# Altium PCB bqCNC.PcbDoc (part 4 of 6) (continued)
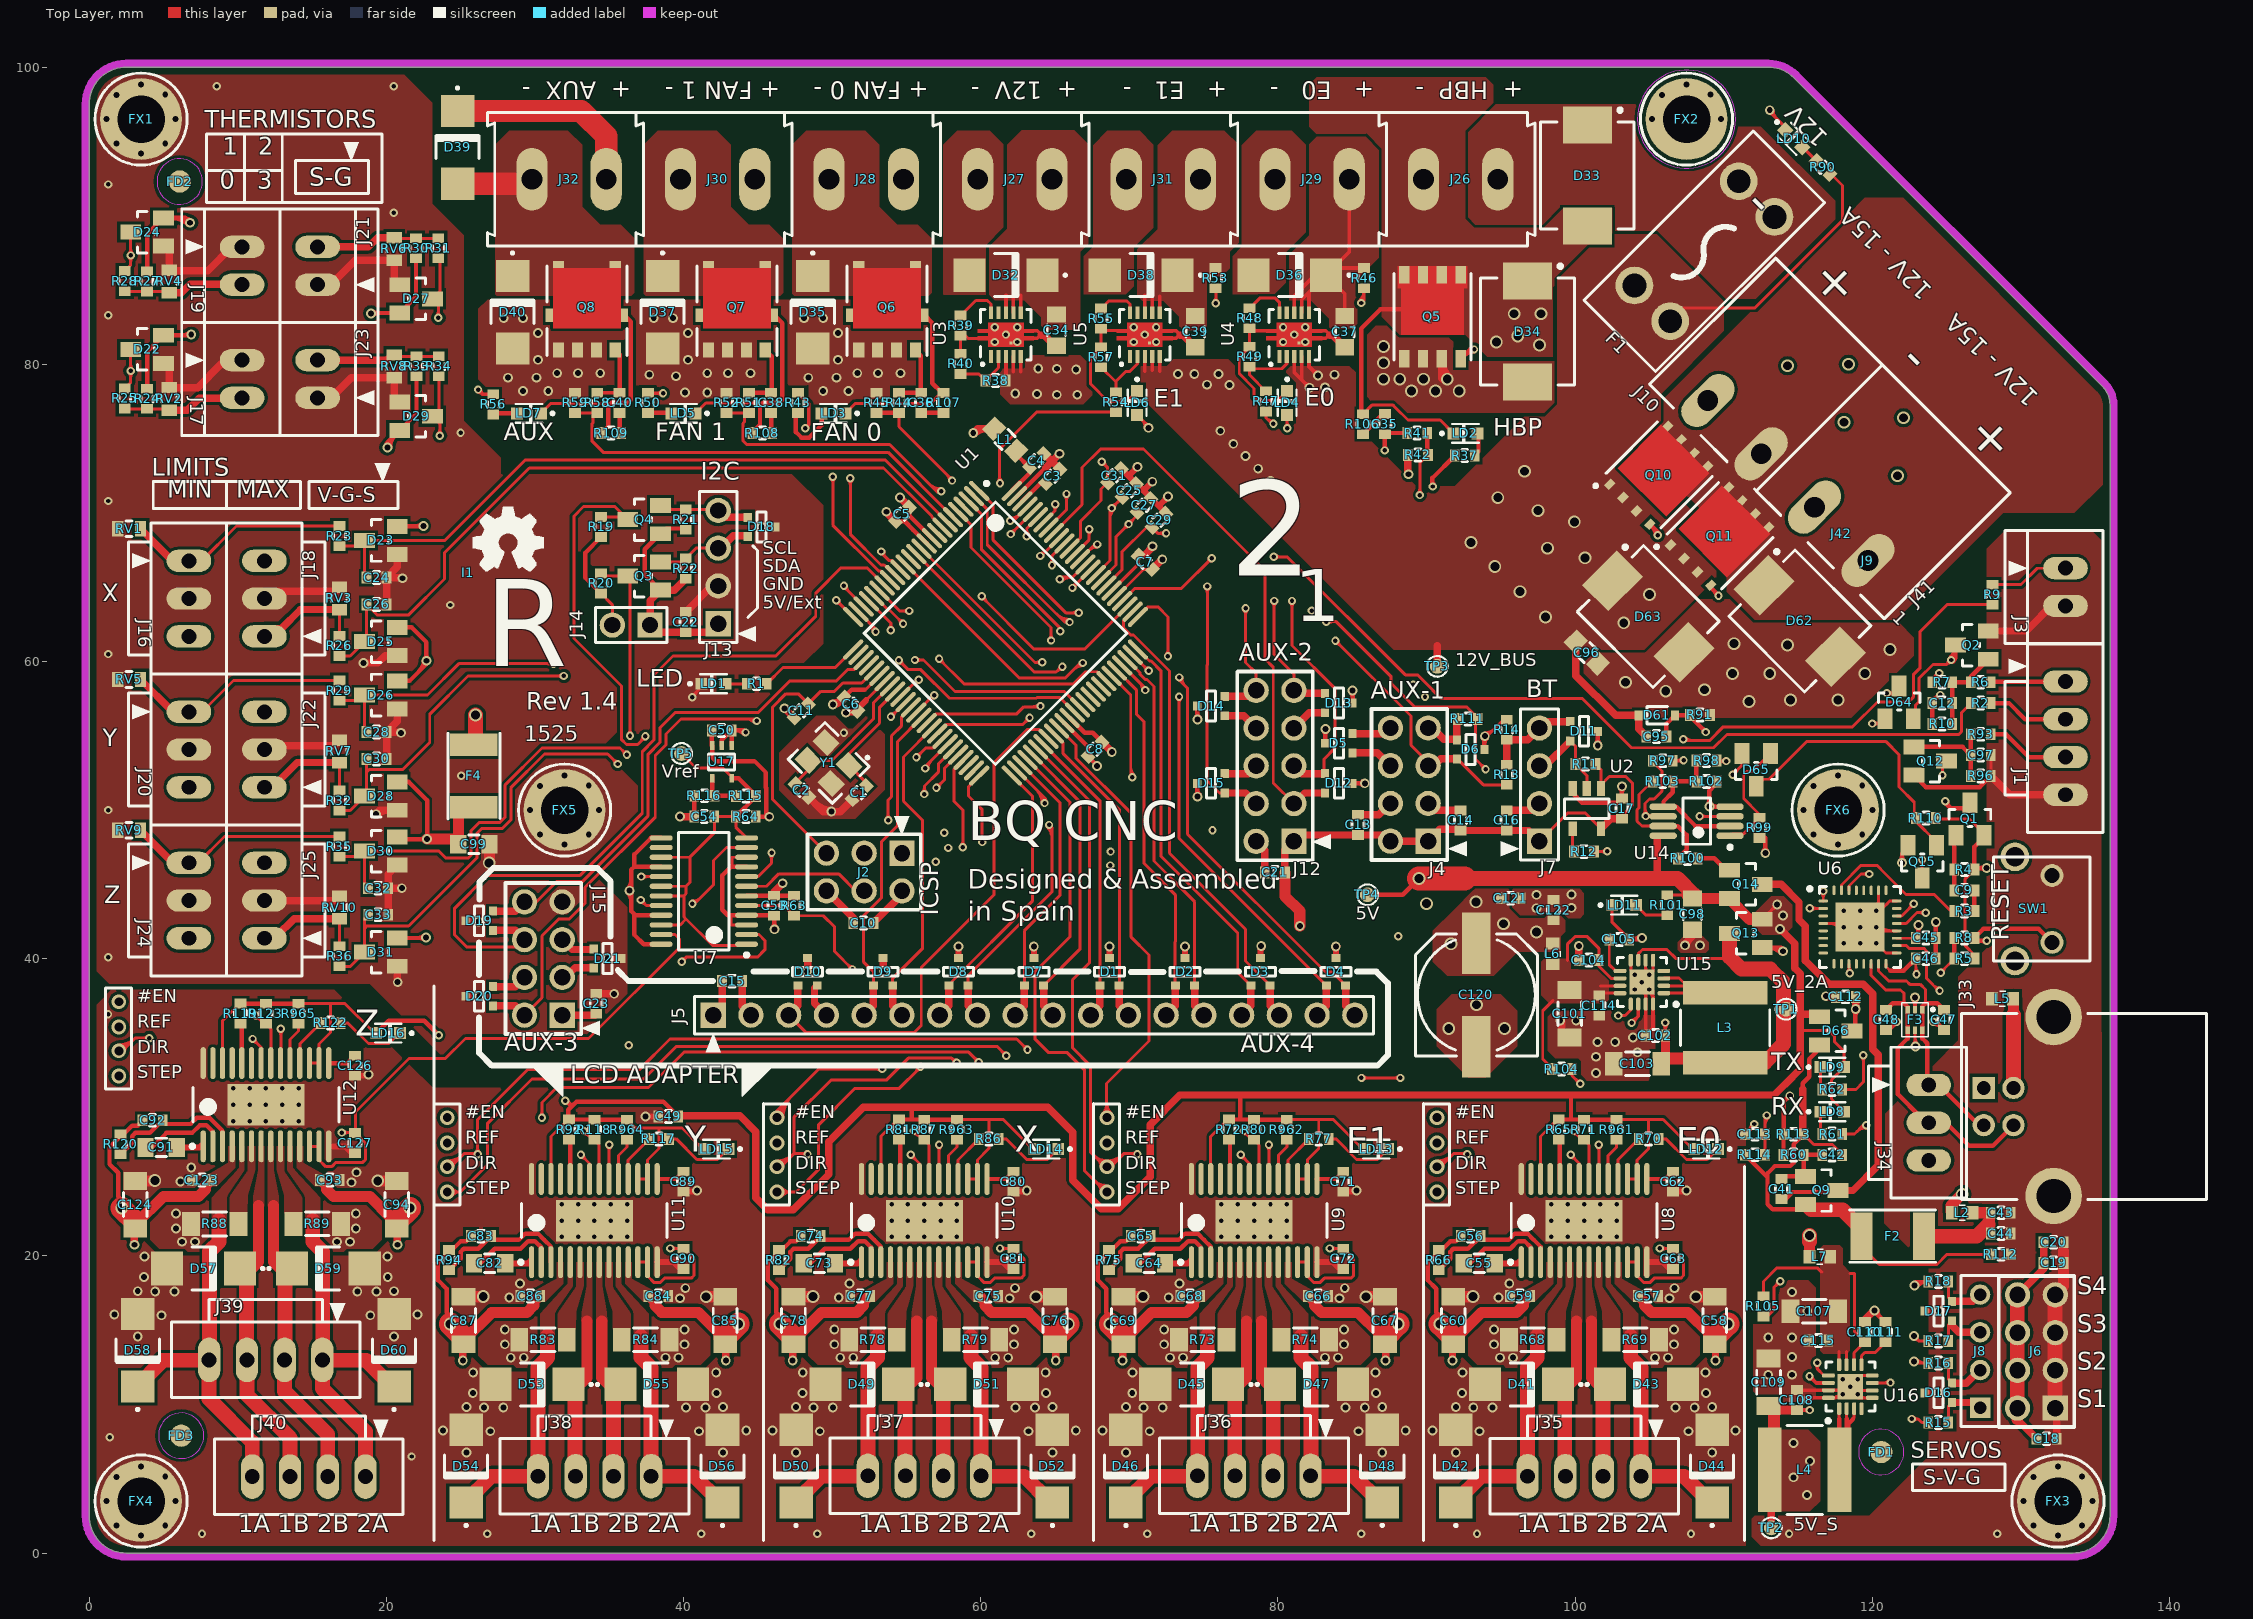
[diagram p0: Top Layer view]
## Nets (pads, with @x,y where several pads share a name; then routed paths per layer and width w, separated by ;. In a path a pad name is that pad's centre, name@x,y a point inside that pad or via, vN(x,y) a via of type N, cw(c..) or ccw(c..) an arc to the next point about the centre after c; other vN are vias at no path point) (continued)
  Top Layer w1: 15.05,22.375 15.05,20.95 15.725,20.275 15.725,12.975 18.625,12.975 D60.K@20.3,11.3 ; J39.1@15.7,13 15.7,11.075 18.6,8.175 J40.1@18.6,5.15
NetD62_K: D62.K J10.1 J10.3 J42.1 Q10.5 Q10.6 Q10.7 Q10.8 Q11.5 Q11.6 Q11.7 Q11.8
NetD64_2: D64.2 Q2.3 R8.1 SW1.2 | length 37.9
  Top Layer w0.2: D64.2@122.909,56.094 122.909,57.054 123.159,57.304 123.159,58.883 124.081,59.805 125.005,59.805 ; v2@125.12,60.095 cw(c124.727,60.083) 125.005,59.805 ; v2@125.295,59.92 ccw(c125.283,59.527) 125.005,59.805 ; v2@125.325,60.125 125.005,59.805
  Top Layer w0.3: v2@125.211,60.194 ccw(c124.352,61.1) Q2.3@125.6,61.1 125.6,60.4 v2(125.3,60.1) ; v2@125.3,60.23 ccw(c125.3,60.544) 125.522,60.322 ccw(c125.744,60.1) v2@125.43,60.1 ; v2@125.417,59.977 ccw(c125.013,60.402) 125.6,60.402 ; v2@127.608,41.108 ccw(c127.386,40.886) 127.386,41.2 ccw(c127.386,41.514) v2@127.608,41.292 ; v2(127.7,41.2) 127.075,41.2 R8.1@126.875,41.4 127.475,42 131.2,42 SW1.2@132.1,41.1
  Signal Layer 1 w0.3: v2@125.3,59.91 cw(c125.3,59.451) 125.624,59.776 cw(c125.949,60.1) v2@125.49,60.1 ; v2(125.3,60.1) 126.55,58.85 126.55,42.35 v2(127.7,41.2) ; v2@127.51,41.2 ccw(c127.051,41.2) 127.376,41.524 ccw(c127.7,41.849) v2@127.7,41.39
NetD64_3: D64.3 Q15.3 | length 17.8
  Top Layer w0.2: v2(120.975,57.875) 121.54,57.875 D64.3@121.959,58.294 ; v2@121.102,57.748 cw(c121.41,57.44) 121.41,57.875 cw(c121.41,58.31) v2@121.102,58.002 ; v2@123.223,46.548 cw(c122.915,46.24) 123.35,46.24 cw(c123.785,46.24) v2@123.477,46.548 ; v2(123.35,46.675) 123.35,45.5 Q15.3@123.4,45.45
  Signal Layer 1 w0.2: v2@120.975,57.635 cw(c120.975,57.056) 121.385,57.465 cw(c121.794,57.875) v2@121.215,57.875 ; v2(120.975,57.875) 122.375,56.475 122.375,51.175 123.35,50.2 v2(123.35,46.675) ; v2@123.18,46.845 ccw(c122.771,47.254) 123.35,47.254 ccw(c123.929,47.254) v2@123.52,46.845
NetD65_3: D65.3 Q15.1 R110.1 | length 17.5
  Top Layer w0.2: D65.3@112.19,51.606 112.659,52.075 113.05,52.075 115.6,54.625 120.9,54.625 121.8,53.725 121.8,51.55 122.825,50.525 R110.1@122.825,49.5 ; R110.1@123.056,49.209 123.056,49.119 Q15.1@124.125,48.05
NetF3_5: F3.5 J33.1 L2.1 | length 16.9
  Top Layer w0.2: v1@122.737,34.263 ccw(c122.405,34.595) 122.875,34.595 ; 122.875,34.716 ccw(c123.516,34.716) v1@123.063,34.263 ; F3.5@122.875,35.175 122.875,34.125 v1(122.9,34.1)
  Top Layer w0.75: L2.1@125.3,23 125.3,23.4 v3(126.05,24.15)
  Power Layer w0.5: v1(122.9,34.1) 124.775,34.1 J33.1@127.475,31.4
  Power Layer w0.75: v3(126.05,24.15) 126.05,29.85 J33.1@127.5,31.3
NetJ1_2: J1.2 R2.2 | length 5.5
  Top Layer w0.3: R2.2@127.975,57.2 129.2,57.2 130.3,56.1 132.99,56.1 J1.2@133,56.11
NetJ3_1: J3.1 R9.2 | length 5.5
  Top Layer w0.2: R9.2@128.1,65.175 130,65.175 131.1,66.275 132.8,66.275 J3.1@133.075,66.55
NetJ16_1: J16.1 R23.1 RV1.2 | length 14.3
  Top Layer w0.2: J16.1@7.484,66.684 9.918,69.118 R23.1@16.843,69.118
  Top Layer w0.5: RV1.2@3.457,68.935 5.336,67.056 J16.1@6.604,67.056
NetJ17_2: J17.2 R24.1 R25.1 RV2.2 | length 8.4
  Top Layer w0.2: R25.1@2.4,77.025 2.426,76.999 R24.1@3.9,76.999 5.315,76.999 RV2.2@5.4,76.914
  Top Layer w0.5: RV2.2@5.4,76.914 6.614,76.914 7.424,77.724 10.062,77.724 J17.2@10.3,77.486
NetJ18_1: J18.1 R26.1 RV3.2 | length 7.4
  Top Layer w0.2: R26.1@16.843,61.718 RV3.2@16.843,63.483
  Top Layer w0.5: J18.1@11.8,62.2 12.924,62.2 14.224,63.5 16.826,63.5 RV3.2@16.843,63.483
NetJ19_2: J19.2 R27.1 R28.1 RV4.2 | length 8.2
  Top Layer w0.2: R28.1@2.4,84.925 2.426,84.899 R27.1@3.9,84.899 5.315,84.899 RV4.2@5.4,84.814
  Top Layer w0.5: RV4.2@5.4,84.814 6.214,84.814 6.8,85.4 10.26,85.4 J19.2@10.3,85.36
NetJ20_1: J20.1 R29.1 RV5.2 | length 15
  Top Layer w0.2: J20.1@6.858,56.866 7.866,56.866 9.718,58.718 R29.1@16.843,58.718
  Top Layer w0.5: RV5.2@3.457,58.789 5.604,56.642 J20.1@6.858,56.642
NetJ21_2: J21.2 R30.1 R31.1 RV6.2 | length 8.1
  Top Layer w0.2: RV6.2@20.534,88.52 20.579,88.475 R30.1@22,88.475 R31.1@23.5,88.475
  Top Layer w0.5: J21.2@15.634,87.9 18.8,87.9 19.42,88.52 RV6.2@20.534,88.52
NetJ22_1: J22.1 R32.1 RV7.2 | length 7.5
  Top Layer w0.2: R32.1@16.843,51.318 RV7.2@16.843,53.183
  Top Layer w0.5: J22.1@11.8,51.786 12.586,51.786 14,53.2 16.826,53.2 RV7.2@16.843,53.183
NetJ23_2: J23.2 R33.1 R34.1 RV8.2 | length 8.2
  Top Layer w0.2: RV8.2@20.534,80.62 20.619,80.535 R33.1@22.034,80.535 R34.1@23.534,80.535
  Top Layer w0.5: J23.2@15.634,80.026 15.872,80.264 20.018,80.264 20.454,80.7 RV8.2@20.534,80.62
NetJ24_1: J24.1 R35.1 RV9.2 | length 14.9
  Top Layer w0.2: J24.1@6.604,46.452 J24.1@6.72,46.452 7.352,46.452 9.118,48.218 R35.1@16.843,48.218
  Top Layer w0.5: RV9.2@3.457,48.643 5.364,46.736 J24.1@6.604,46.736
NetJ25_1: J25.1 R36.1 RV10.2 | length 7.5
  Top Layer w0.2: RV10.2@16.843,42.683 16.843,40.846 R36.1@16.857,40.832
  Top Layer w0.5: J25.1@11.8,41.372 11.928,41.5 12.6,41.5 13.8,42.7 16.826,42.7 RV10.2@16.843,42.683
NetJ33_4: J33.4 J34.3 L5.2 | length 17.7
  Top Layer w0.75: L5.2@129.475,37.375 129.5,37.35 129.5,36.2
  Top Layer w1: J33.4@129.5,31.3 129.5,36.2
  Signal Layer 1 w1: J34.3@123.8,26.42 129.171,26.42 130.95,28.199 130.95,29.8 J33.4@129.425,31.325
NetL3_1: L3.1 U15.1 U15.2 U15.3 | length 12.3
  Top Layer w0.2: U15.1@105.975,37.675 110.075,37.675 L3.1@110.1,37.7 L3.1@109.625,38.175 ; U15.2@105.975,38.175 L3.1@109.625,38.175 ; U15.3@105.975,38.675 106,38.7 107,38.7 107.525,38.175 L3.1@109.625,38.175
NetL4_1: L4.1 U16.1 U16.2 U16.3 | length 12.3
  Top Layer w0.2: 117.775,9.025 U16.1@117.775,9.725 ; 118.275,9.025 U16.2@118.275,9.725 ; 118.7,9 118.775,9.075 U16.3@118.775,9.725
  Top Layer w0.3: 117.775,9.025 117.775,5.625 L4.1@117.8,5.6 L4.1@118.275,6.075 ; 118.275,9.025 L4.1@118.275,6.075 ; 118.7,9 118.4,8.7 118.4,6.2 L4.1@118.275,6.075
NetLD1_A: LD1.A R1.2 | length 1.4
  Top Layer w0.2: LD1.A@43,58.5 R1.2@44.425,58.5
NetLD2_A: LD2.A R37.1 | length 1.7
  Top Layer w0.3: R37.1@93.25,73.85 93.5,74.1 LD2.A@93.5,75.4
NetLD3_A: LD3.A R43.1 | length 4.4
  Top Layer w0.3: R43.1@47.7,76.725 47.57,76.595 47.57,75.439 47.939,75.07 48.461,75.07 49.3,75.909 LD3.A@49.3,76.7
NetLD4_A: LD4.A R46.1 | length 16.9
  Top Layer w0.2: v2@80.498,75.827 ccw(c80.19,76.135) 80.625,76.135 ccw(c81.06,76.135) v2@80.752,75.827 ; v2(80.625,75.7) LD4.A@80.625,76.6 ; v2@85.473,84.252 ccw(c84.683,85.042) R46.1@85.8,85.042 ; v2(85.6,84.125) v2@85.8,84.325 ; v2@85.614,84.111 ccw(c85.165,84.56) 85.8,84.56 ; v2@85.661,84.294 ccw(c85.707,84.418) v2@85.8,84.325 ; v2@85.769,84.186 cw(c85.893,84.232) v2@85.8,84.325 ; R46.1@85.8,85.125 v2@85.8,84.325
  Signal Layer 1 w0.2: v2@80.455,75.87 ccw(c80.046,76.279) 80.625,76.279 ccw(c81.204,76.279) v2@80.795,75.87 ; v2(80.625,75.7) 80.625,78.55 83.875,81.8 83.875,82.525 85.6,84.25 v2(85.6,84.125) ; 84.977,83.627 cw(c85.6,83.004) v2@85.6,83.885 ; 85.279,83.929 ccw(c85.082,84.125) v2@85.36,84.125
NetLD5_A: LD5.A R50.1 | length 1.6
  Top Layer w0.3: R50.1@37.6,76.725 39.175,76.725 LD5.A@39.2,76.7
NetLD6_A: LD6.A R53.1 | length 16
  Top Layer w0.2: LD6.A@70.525,76.6 71.3,75.825 v1(71.3,75.725) ; LD6.A@70.837,76.288 cw(c70.273,75.725) v1@71.07,75.725 ; 71.078,76.047 ccw(c71.3,76.269) v1@71.3,75.955 ; v2@75.698,84.227 ccw(c75.39,84.535) 75.825,84.535 ccw(c76.26,84.535) v2@75.952,84.227 ; R53.1@75.8,85.125 75.825,85.1 v2(75.825,84.1)
  Signal Layer 1 w0.2: v1@71.109,75.916 ccw(c70.648,76.377) 71.3,76.377 ccw(c71.952,76.377) v1@71.491,75.916 ; v1(71.3,75.725) 71.3,79.6 75.8,84.1 v2(75.825,84.1) ; 75.373,83.673 cw(c75.825,83.22) v2@75.825,83.86 ; 75.433,83.733 ccw(c75.066,84.1) v2@75.585,84.1
NetLD7_A: LD7.A R56.1 | length 1.6
  Top Layer w0.3: R56.1@27.2,76.625 27.275,76.7 LD7.A@28.8,76.7
NetLD8_K: LD8.K R61.2 | length 1.6
  Top Layer w0.2: LD8.K@116.5,29.7 116.5,28.325 R61.2@116.625,28.2
NetLD9_K: LD9.K R62.2 | length 1.6
  Top Layer w0.2: LD9.K@116.5,32.7 116.5,31.325 R62.2@116.625,31.2
NetLD10_A: LD10.A R90.1 | length 1.3
  Top Layer w0.2: LD10.A@115.276,94.606 115.319,94.606 R90.1@116.2,93.725
NetLD11_A: LD11.A R101.1 | length 2.4
  Top Layer w0.2: LD11.A@104.1,43.6 104.775,42.925 R101.1@106.2,42.925
NetLD12_K: LD12.K R70.2 | length 5
  Top Layer w0.2: R70.2@105.625,27.875 106.109,27.875 107.498,26.486 108.886,26.486 LD12.K@109.7,27.3
NetLD13_K: LD13.K R77.2 | length 5
  Top Layer w0.2: R77.2@83.425,27.875 83.909,27.875 85.298,26.486 86.686,26.486 LD13.K@87.5,27.3
NetLD14_K: LD14.K R86.2 | length 5
  Top Layer w0.2: R86.2@61.225,27.875 61.709,27.875 63.098,26.486 64.486,26.486 LD14.K@65.3,27.3
NetLD15_K: LD15.K R117.2 | length 5
  Top Layer w0.2: R117.2@39.025,27.875 39.509,27.875 40.898,26.486 42.286,26.486 LD15.K@43.1,27.3
NetLD16_K: LD16.K R122.2 | length 5
  Top Layer w0.2: R122.2@16.925,35.675 17.409,35.675 18.798,34.286 20.186,34.286 LD16.K@21,35.1
NetQ1_3: Q1.3 R7.1 | length 14.1
  Top Layer w0.3: R7.1@124.025,58.6 124.025,58.75 v2(124.5,59.225) ; v2@124.37,59.225 cw(c124.056,59.225) 124.278,59.003 cw(c124.5,58.781) v2@124.5,59.095 ; v2(124.9,50.6) 124.9,50.5 125.275,50.125 126.075,50.125 Q1.3@126.2,50 ; v2@125.03,50.6 ccw(c125.585,50.6) 125.193,50.207
  Signal Layer 1 w0.3: v2@124.31,59.225 cw(c123.851,59.225) 124.176,58.901 cw(c124.5,58.576) v2@124.5,59.035 ; v2(124.5,59.225) 123.885,58.61 123.885,57.449 123.9,57.434 123.9,51.6 v2(124.9,50.6) ; v2@124.71,50.6 ccw(c124.251,50.6) 124.576,50.924 ccw(c124.9,51.249) v2@124.9,50.79
NetQ13_1: Q13.1 R99.1 | length 14.8
  Top Layer w0.3: Q13.1@112.6,40.75 v1@113.75,40.75 ; v1@112.673,47.227 ccw(c112.365,47.535) 112.8,47.535 ccw(c113.235,47.535) v1@112.927,47.227 ; v1(112.8,47.1) 112.8,48.125 ; Q13.1@112.962,40.75 cw(c112.962,39.462) v1@113.873,40.373 ; 113.686,40.75 cw(c113.686,40.186) v1@114.085,40.585 ; v1@113.822,40.528 ccw(c113.568,40.568) v1@113.75,40.75 ; v1@113.972,40.678 cw(c113.932,40.932) v1@113.75,40.75 ; v1(114,40.5) v1@113.75,40.75
  Power Layer w0.2: v1@112.609,46.909 cw(c112.39,46.69) 112.7,46.69 cw(c113.21,46.69) v1@112.849,47.051 ; 112.7,46.207 cw(c113.693,46.207) v1@112.991,46.909 ; v1@112.7,47 112.7,41.8 v1(114,40.5) ; v1@113.73,40.5 ccw(c113.078,40.5) 113.539,40.961 ccw(c114,41.422) v1@114,40.77
  Power Layer w0.3: v1@112.7,47 v1(112.8,47.1)
NetQ14_1: Q14.1 R100.1 | length 2.2
  Top Layer w0.3: R100.1@108.25,46.75 109.375,46.75 Q14.1@110.1,46.025
NetR12_1: R12.1 U2.4 | length 1.6
  Top Layer w0.2: U2.4@99.84,48.746 99.84,47.285 R12.1@99.925,47.2
NetR38_2: R38.2 R40.2 U3.2 | length 3.8
  Top Layer w0.2: R40.2@58.65,79.35 59.875,79.35 R38.2@60.325,78.9 61.2,79.775 U3.2@61.2,80.525
NetR39_2: R39.2 U3.10 | length 3.1
  Top Layer w0.2: R39.2@58.652,83.283 59.669,84.3 60.45,84.3 60.7,84.05 U3.10@60.7,83.475
NetR47_2: R47.2 R49.2 U4.2 | length 5.3
  Top Layer w0.2: R47.2@79.2,78.175 78.1,79.275 R49.2@78.1,79.825 78.225,79.7 80.264,79.7 80.6,80.036 U4.2@80.6,80.525
NetR48_2: R48.2 U4.10 | length 3.1
  Top Layer w0.2: R48.2@78.1,83.775 78.775,84.45 79.825,84.45 80.1,84.175 U4.10@80.1,83.475
NetR54_2: R54.2 R57.2 U5.2 | length 4.6
  Top Layer w0.2: R57.2@68.1,79.8 69.1,78.8 ; R54.2@69.1,78.125 69.1,78.8 ; U5.2@70.55,80.525 70.55,80.036 70.014,79.5 69.75,79.5 69.1,78.85 69.1,78.8
NetR55_2: R55.2 U5.10 | length 2.8
  Top Layer w0.2: R55.2@68.1,83.75 68.6,84.25 69.85,84.25 70.05,84.05 U5.10@70.05,83.475
NetR61_1: R61.1 U6.22 | length 29.8
  Top Layer w0.2: R61.1@117.975,28.2 118.8,28.2 v2@119.4,28.8 ; 118.951,28.351 cw(c119.6,27.703) v2@119.6,28.62 ; v2@119.293,28.693 cw(c119.6,28.386) v2@119.6,28.82 ; v2@119.4,28.8 v2(119.6,28.8) ; U6.22@121.65,42.875 121.975,42.875 v2(122.8,43.7) ; v2@122.62,43.7 cw(c122.185,43.7) 122.493,43.393 cw(c122.8,43.085) v2@122.8,43.52
  Signal Layer 1 w0.2: v2@119.4,28.8 v2(119.6,28.8) ; v2@119.4,28.8 119.4,31.1 121.2,32.9 124.4,32.9 125.7,34.2 125.7,42.625 124.225,44.1 123.2,44.1 ; 119.4,29.379 ccw(c120.179,29.379) v2@119.628,28.828 ; 119.4,29.862 ccw(c120.661,29.862) v2@119.769,28.97 ; v2(122.8,43.7) 123.2,44.1 ; v2@122.804,43.94 ccw(c122.813,44.486) 123.2,44.1 ; v2@123.04,43.704 cw(c123.586,43.713) 123.2,44.1
NetR62_1: R62.1 U6.21 | length 24.2
  Top Layer w0.2: R62.1@117.975,31.2 118.9,31.2 119.4,31.7 v2(119.4,33.5) ; v2@119.273,33.373 cw(c118.965,33.065) 119.4,33.065 cw(c119.835,33.065) v2@119.527,33.373 ; U6.21@121.65,42.375 122.284,42.375 123.009,43.1 v2(123.6,43.1) ; v2@123.472,42.973 ccw(c123.165,42.665) 123.165,43.1 ccw(c123.165,43.534) v2@123.472,43.227
  Signal Layer 1 w0.2: v2@119.4,33.43 124.23,33.43 125.275,34.475 125.275,42.423 124.553,43.145 123.645,43.145 v2(123.6,43.1) ; v2@119.57,33.33 cw(c119.81,33.09) 119.81,33.43 ; v2@119.57,33.67 ccw(c120.148,34.248) 120.148,33.43
NetR65_2: R65.2 U8.24 | length 2.8
  Top Layer w0.3: R65.2@98.9,27.9 98.979,27.821 U8.24@98.979,25.175
NetR68_2: R68.2 U8.6
NetR69_2: R69.2 U8.9
NetR70_1: R70.1 U8.18 | length 3.3
  Top Layer w0.2: U8.18@102.879,25.175 102.879,26.454 R70.1@104.275,27.85
NetR72_2: R72.2 U9.24 | length 2.8
  Top Layer w0.3: R72.2@76.7,27.9 76.779,27.821 U9.24@76.779,25.175
NetR73_2: R73.2 U9.6
NetR74_2: R74.2 U9.9
NetR77_1: R77.1 U9.18 | length 3.3
  Top Layer w0.2: U9.18@80.679,25.175 80.679,26.454 R77.1@82.075,27.85
NetR78_2: R78.2 U10.6
NetR79_2: R79.2 U10.9
NetR81_2: R81.2 U10.24 | length 2.8
  Top Layer w0.3: R81.2@54.5,27.9 54.579,27.821 U10.24@54.579,25.175
NetR83_2: R83.2 U11.6
NetR84_2: R84.2 U11.9
NetR86_1: R86.1 U10.18 | length 3.3
  Top Layer w0.2: U10.18@58.479,25.175 58.479,26.454 R86.1@59.875,27.85
NetR88_2: R88.2 U12.6
NetR89_2: R89.2 U12.9
NetR92_2: R92.2 U11.24 | length 2.8
  Top Layer w0.3: R92.2@32.3,27.9 32.379,27.821 U11.24@32.379,25.175
NetR97_1: R97.1 U14.3 U14.6 | length 15.3
  Top Layer w0.2: v2@104.623,49.727 ccw(c104.436,49.914) v2@104.7,49.914 ; 104.7,50.155 ccw(c105.305,50.155) 104.877,49.727 ccw(c105.185,50.035) 105.185,49.6 ccw(c105.185,49.165) v2@104.877,49.473 ; v2@104.725,49.725 104.7,49.75 104.7,50.442 105.008,50.75 105.325,50.75 105.85,51.275 105.85,52.625 105.3,53.175 R97.1@105.3,53.375 ; v2(104.75,49.6) 105.9,49.6 U14.6@105.95,49.55 ; v2(108.375,49.575) U14.3@110.425,49.575 ; v2@108.502,49.448 cw(c108.81,49.14) 108.81,49.575 cw(c108.81,50.01) v2@108.502,49.702
  Signal Layer 1 w0.2: v2@104.75,49.575 v2(108.375,49.575) ; v2@104.92,49.43 cw(c105.269,49.081) 105.269,49.575 ; v2@104.92,49.77 ccw(c105.39,50.24) 105.39,49.575 ; v2@108.205,49.405 ccw(c107.796,48.996) 107.796,49.575 ccw(c107.796,50.154) v2@108.205,49.745
NetR98_1: R98.1 R102.2 R103.1 U14.2 U14.5 | length 10.1
  Top Layer w0.3: U14.5@105.875,50.225 U14.5@105.925,50.225 106.8,50.225 108.1,48.925 U14.2@110.425,48.925 ; U14.5@105.95,50.35 105.95,50.575 106.575,51.2 R103.1@106.575,51.925 ; R103.1@106.575,51.975 106.6,51.95 108.075,51.95 108.15,51.875 108.15,53.05 108.2,53.1 R98.1@108.2,53.375
NetR100_2: R100.2 R103.2 U14.7 | length 8.6
  Top Layer w0.2: R103.2@105.175,51.925 104.3,51.05 104.3,50.15 104.17,50.02 104.17,49.255 104.5,48.925 U14.7@105.925,48.925
  Top Layer w0.3: U14.7@105.925,48.925 106.9,48.925 107.5,48.325 107.5,47.35 R100.2@106.9,46.75
NetR115_1: R115.1 R116.2 U17.4 | length 2.8
  Top Layer w0.3: U17.4@41.935,52.269 41.935,51.165 R116.2@42.1,51 ; R116.2@42.125,51.025 42.191,50.959 R115.1@43.531,50.959
NetR117_1: R117.1 U11.18 | length 3.3
  Top Layer w0.2: U11.18@36.279,25.175 36.279,26.454 R117.1@37.675,27.85
NetR119_2: R119.2 U12.24 | length 2.8
  Top Layer w0.3: R119.2@10.2,35.7 10.279,35.621 U12.24@10.279,32.975
NetR122_1: R122.1 U12.18 | length 3.3
  Top Layer w0.2: U12.18@14.179,32.975 14.179,34.254 R122.1@15.575,35.65
NetR961_2: R961.2 U8.19 | length 2.9
  Top Layer w0.2: U8.19@102.229,25.175 102.229,26.754 102.8,27.325 R961.2@102.8,27.821 R961.2@102.8,27.825
NetR962_2: R962.2 U9.19 | length 2.9
  Top Layer w0.2: U9.19@80.029,25.175 80.029,26.754 80.6,27.325 R962.2@80.6,27.821
NetR963_2: R963.2 U10.19 | length 2.9
  Top Layer w0.2: U10.19@57.829,25.175 57.829,26.754 58.4,27.325 R963.2@58.4,27.821
NetR964_2: R964.2 U11.19 | length 2.9
  Top Layer w0.2: U11.19@35.629,25.175 35.629,26.754 36.2,27.325 R964.2@36.2,27.821
NetR965_2: R965.2 U12.19 | length 2.9
  Top Layer w0.2: U12.19@13.529,32.975 13.529,34.554 14.1,35.125 R965.2@14.1,35.621
PS_ON: R9.1 U1.47 | length 101.5
  Top Layer w0.2: v2@58.673,47.627 ccw(c58.365,47.935) 58.8,47.935 ccw(c59.235,47.935) v2@58.927,47.627 ; v2(58.8,47.5) 58.8,50 58.217,50.583 58.217,52.753 U1.47@58.843,53.379 ; v2(107.275,54.775) 107.425,54.775 107.35,54.7 107.375,54.675 108.555,54.675 108.56,54.67 109.04,54.67 109.97,55.6 118.675,55.6 120.35,57.275 122.425,57.275 122.75,57.6 ; v2@107.402,54.902 ccw(c107.951,55.451) 107.951,54.675 ; 122.759,57.609 122.759,59.109 123.225,59.575 123.225,62.025 125.025,63.825 R9.1@128.1,63.825
  Power Layer w0.2: v2@58.687,47.387 ccw(c59.114,47.814) 59.114,47.21 ; v2(58.8,47.5) 59.09,47.21 v2(68.74,47.21) ; v2@58.828,47.528 ccw(c59.597,48.297) 59.597,47.21 ; v2@58.97,47.67 ccw(c60.08,48.78) 60.08,47.21 ; v2@68.57,47.04 ccw(c68.161,46.631) 68.161,47.21 ccw(c68.161,47.789) v2@68.57,47.38 ; v2(75.6,48.65) 76.9,48.65 77.425,49.175 83.075,49.175 84.65,50.75 84.65,55.325 86.2,56.875 89.175,56.875 89.9,57.6 v2(89.9,57.625) ; v2@75.77,48.48 cw(c76.179,48.071) 76.179,48.65 cw(c76.179,49.229) v2@75.77,48.82 ; 89.473,57.173 ccw(c89.02,57.625) v2@89.66,57.625 ; 89.533,57.233 cw(c89.9,56.866) v2@89.9,57.385
  Signal Layer 1 w0.2: v2(68.74,47.21) 74.11,47.21 75.55,48.65 v2(75.6,48.65) ; v2@68.91,47.04 cw(c69.319,46.631) 69.319,47.21 cw(c69.319,47.789) v2@68.91,47.38 ; 75.105,48.205 cw(c75.6,47.71) v2@75.6,48.41 ; 75.226,48.326 ccw(c74.901,48.65) v2@75.36,48.65 ; v2(89.9,57.625) 100.425,57.625 103.45,54.6 v2@107.05,54.6 ; v2@90.07,57.455 cw(c90.479,57.046) 90.479,57.625 cw(c90.479,58.204) v2@90.07,57.795 ; 106.273,54.6 ccw(c106.273,55.777) v2@107.105,54.945 ; 106.756,54.6 ccw(c106.756,55.294) v2@107.247,54.803 ; v2@107.05,54.625 v2@107.375,54.95 ; v2(107.275,54.775) v2@107.425,54.775
PWRDN: J1.3 R93.2 | length 5.7
  Top Layer w0.3: R93.2@127.975,55.1 129,55.1 130.53,53.57 J1.3@133,53.57
SCK: D21.1 J2.3 J15.5 U1.20 U7.8 | length 63
  Top Layer w0.2: U7.8@44.25,45.525 45.025,45.525 45.925,46.425 v2(45.925,47.125) ; v2@45.798,46.998 cw(c45.49,46.69) 45.925,46.69 cw(c46.36,46.69) v2@46.052,46.998 ; U1.20@53.186,64.764 54.55,63.4 v2(55.2,63.4) ; v2@55.073,63.273 ccw(c54.765,62.965) 54.765,63.4 ccw(c54.765,63.835) v2@55.073,63.527
  Top Layer w0.5: J15.5@31.84,41.28 32.5,40.62 33.923,40.62 D21.1@33.963,40.66
  Power Layer w0.2: J2.3@52.16,47.1 53.535,48.475 v2(57.55,48.475) ; v2@57.38,48.305 ccw(c56.971,47.896) 56.971,48.475 ccw(c56.971,49.054) v2@57.38,48.645
  Signal Layer 1 w0.2: J15.5@31.84,41.28 32.755,41.28 34.85,43.375 34.85,45.506 36.469,47.125 v2(45.925,47.125) 47.1,45.95 51.01,45.95 J2.3@52.16,47.1 ; v2@45.755,46.955 ccw(c45.346,46.546) 45.346,47.125 ccw(c45.346,47.704) v2@45.755,47.295 ; v2@45.925,46.885 cw(c45.925,46.306) 46.335,46.715 cw(c46.744,47.125) v2@46.165,47.125 ; v2@55.2,63.16 cw(c55.2,62.701) 55.524,63.026 ; v2(55.2,63.4) 55.2,63.35 56.3,62.25 57.852,62.25 59.5,60.602 59.5,57.219 58.824,56.542 58.824,49.749 v2(57.55,48.475) ; v2@55.44,63.4 ccw(c56.14,63.4) 55.645,62.905 ; v2@57.55,48.715 ccw(c57.55,49.294) 57.96,48.885 ccw(c58.369,48.475) v2@57.79,48.475
SCL: Q4.3 R19.2 U1.43 | length 49.1
  Top Layer w0.2: R19.2@34.45,69.725 Q4.3@36.075,69.725 ; Q4.3@36.25,69.55 Q4.3@36.075,69.725 ; 37.115,54.615 ccw(c36.763,54.967) v2@37.261,54.967 ; 37.178,54.678 cw(c37.441,54.415) v2@37.441,54.787 ; v2@37.5,55 36.92,54.42 36.16,54.42 35.82,54.76 35.82,55.32 35.825,55.325 35.825,58.35 32.625,61.55 32.625,69.775 33.275,70.425 35.375,70.425 Q4.3@36.075,69.725 ; v2(55.675,53.55) 56.292,54.167 56.802,54.167 U1.43@57.429,54.794 ; v2@55.675,53.73 ccw(c55.675,54.165) 55.982,53.857 ccw(c56.29,53.55) v2@55.855,53.55
  Signal Layer 1 w0.2: v2@37.309,54.766 cw(c37.127,54.489) 37.459,54.489 ; v2(37.441,54.967) 37.459,54.949 37.459,54.489 ; v2@37.595,54.783 ccw(c37.843,54.489) 37.459,54.489 ; v2@55.435,53.55 cw(c54.856,53.55) 55.265,53.14 cw(c55.675,52.731) v2@55.675,53.31 ; v2(55.675,53.55) 55.04,52.915 39.033,52.915 37.459,54.489
SDA: Q3.3 R20.2 U1.44 | length 41.8
  Top Layer w0.2: R20.2@34.45,65.925 34.625,65.75 Q3.3@36.25,65.75 36.4,65.6 v2(36.4,55) ; v2@36.273,55.127 ccw(c35.965,55.435) 36.4,55.435 ccw(c36.835,55.435) v2@36.527,55.127 ; v2(56.275,52.8) 56.275,52.932 U1.44@57.783,54.44 ; v2@56.455,52.8 cw(c57.209,52.8) 56.676,53.333
  Signal Layer 1 w0.2: v2@36.24,55 ccw(c36.887,55) 36.429,54.543 ; v2@36.275,54.795 cw(c36.139,54.572) 36.4,54.572 ; v2(36.4,55) 36.4,54.572 ; v2@36.44,55 ccw(c37.569,55) 36.771,54.201 ; v2@36.525,54.795 ccw(c36.661,54.572) 36.4,54.572 ; v2@36.64,55 ccw(c38.252,55) 37.112,53.86 ; v2@56.035,52.8 cw(c55.456,52.8) 55.865,52.39 cw(c56.275,51.981) v2@56.275,52.56 ; v2(56.275,52.8) 55.7,52.225 38.747,52.225 36.4,54.572
SERVO_1: R15.1 U1.24 | length 127.4
  Top Layer w0.2: U1.24@51.772,63.35 52.927,62.195 v2(52.927,61.998) ; 52.48,62.642 cw(c51.837,61.998) v2@52.747,61.998 ; v2@52.822,62.3 cw(c52.52,61.998) v2@52.947,61.998 ; v2@85.625,32.075 85.725,31.975 v2(88.25,31.975) ; v2@85.752,31.848 cw(c86.06,31.54) 86.06,31.975 cw(c86.06,32.41) v2@85.752,32.102 ; v2@88.123,31.848 ccw(c87.815,31.54) 87.815,31.975 ccw(c87.815,32.41) v2@88.123,32.102 ; v2(122.65,9.025) 123.091,9.025 123.332,8.784 R15.1@123.773,8.784 ; v2@122.777,8.898 cw(c123.085,8.59) 123.085,9.025 cw(c123.085,9.46) v2@122.777,9.152
  Power Layer w0.2: v2(57.825,47.45) 57.825,47.175 58.725,46.275 v2(68.725,46.275) ; v2@57.865,47.45 ccw(c58.625,47.45) 58.088,46.912 ; v2@58.065,47.45 ccw(c59.308,47.45) 58.429,46.571 ; v2@68.555,46.105 ccw(c68.146,45.696) 68.146,46.275 ccw(c68.146,46.854) v2@68.555,46.445
  Signal Layer 1 w0.2: v2(52.927,61.998) 52.927,62.032 55.022,64.128 55.378,64.128 56.705,62.8 57.903,62.8 59.9,60.803 59.9,57.053 59.224,56.376 59.224,49.074 57.825,47.675 v2(57.825,47.45) ; v2@52.927,62.238 ccw(c52.927,62.738) 53.279,62.385 ; v2@53.167,61.998 cw(c53.826,61.998) 53.36,62.465 ; v2@57.865,47.45 cw(c58.505,47.45) 58.052,47.902 ; v2@58.065,47.45 cw(c59.188,47.45) 58.394,48.244 ; v2@68.725,46.035 cw(c68.725,45.456) 69.135,45.865 cw(c69.544,46.275) v2@68.965,46.275 ; v2(68.725,46.275) 71.225,43.775 71.225,33.6 72.85,31.975 v2(85.625,31.975) ; v2@85.455,31.805 ccw(c85.046,31.396) 85.046,31.975 ccw(c85.046,32.554) v2@85.455,32.145 ; v2@88.25,31.735 cw(c88.25,31.156) 88.66,31.565 cw(c89.069,31.975) v2@88.49,31.975 ; v2(88.25,31.975) 89.025,31.2 93.8,31.2 95.3,29.7 107.55,29.7 114,23.25 114,19.75 122.61,11.14 122.61,8.985 v2(122.65,9.025)
SERVO_2: R16.1 U1.15 | length 111.2
  Top Layer w0.2: U1.15@54.954,66.532 62.586,58.9 65.7,58.9 66.7,59.9 v2(66.875,59.9) ; 66.269,59.469 cw(c66.875,58.863) v2@66.875,59.72 ; v1(122.8,12.9) 122.916,12.784 R16.1@123.773,12.784 ; v1@122.821,12.921 ccw(c123.152,13.252) 123.152,12.784 ; v1@122.963,13.063 ccw(c123.635,13.735) R16.1@123.635,12.784
  Signal Layer 1 w0.2: v2(66.875,59.9) 66.9,59.925 69.8,59.925 70.865,60.99 81.985,60.99 84.355,58.62 84.355,57.145 84.75,56.75 84.75,43.425 85.7,42.475 85.7,38.1 86.225,37.575 88,35.8 88,33.3 88.5,32.8 89.6,31.7 94,31.7 95.6,30.1 107.9,30.1 114.5,23.5 114.5,20.2 121.8,12.9 v1(122.8,12.9) ; v2@67.045,59.73 cw(c67.515,59.26) 67.515,59.925 ; v2@67.045,60.07 ccw(c67.394,60.419) 67.394,59.925 ; v1@122.609,12.709 ccw(c122.148,12.248) 122.148,12.9 ccw(c122.148,13.552) v1@122.609,13.091
SERVO_3: R17.1 U1.5 | length 106
  Top Layer w0.2: U1.5@58.49,70.067 59.352,69.204 59.352,67.671 64.736,62.288 v2(64.736,61.411) ; v2@64.609,61.538 ccw(c64.301,61.845) 64.736,61.845 ccw(c65.17,61.845) v2@64.863,61.538 ; v1(122.8,14.6) 123.116,14.284 ; v1@122.838,14.373 cw(c122.89,14.058) 123.116,14.284 ; v1@123.027,14.562 ccw(c123.342,14.51) 123.116,14.284 ; R17.1@123.773,14.284 123.116,14.284
  Signal Layer 1 w0.2: v2(64.736,61.411) 64.754,61.393 82.629,61.393 85.695,58.328 85.695,54.22 85.18,53.705 85.18,43.77 86.2,42.75 86.2,38.4 88.6,36 88.6,33.65 90.05,32.2 94.175,32.2 95.875,30.5 108.25,30.5 122.8,15.95 v1(122.8,14.6) ; v2@64.906,61.241 cw(c65.272,60.874) 65.272,61.393 ; v2@64.906,61.581 ccw(c65.358,62.033) 65.358,61.393
SERVO_4: R18.1 U1.1 | length 113.6
  Top Layer w0.2: U1.1@59.904,71.481 59.904,71.475 60.842,70.537 60.842,68.162 65.726,63.278 v2(66.603,63.278) ; v2@66.475,63.15 ccw(c66.168,62.843) 66.168,63.278 ccw(c66.168,63.712) v2@66.475,63.405 ; v1@122.689,18.092 cw(c123.041,17.866) v1@123.041,18.284 ; v1(122.832,18) 123.116,18.284 ; v1@122.857,17.984 cw(c123.407,17.631) 123.407,18.284 ; v1@122.89,18.223 ccw(c122.949,18.451) 123.116,18.284 ; v1@123.026,17.876 cw(c123.773,17.396) R18.1@123.773,18.284 123.116,18.284 ; v1@123.055,18.058 cw(c123.283,18.117) 123.116,18.284
  Power Layer w0.2: v2(82.275,63.425) 84.225,63.425 89.15,58.5 v2(89.1,58.45) ; v2@82.445,63.255 cw(c82.854,62.846) 82.854,63.425 cw(c82.854,64.004) v2@82.445,63.595 ; 88.62,59.03 cw(c88.039,58.45) v2@88.86,58.45 ; 88.861,58.789 ccw(c89.1,59.028) v2@89.1,58.69
  Signal Layer 1 w0.2: v2(66.603,63.278) 66.98,62.9 ; v2@66.617,63.038 cw(c66.645,62.565) 66.98,62.9 ; v2@66.842,63.263 ccw(c67.315,63.235) 66.98,62.9 ; v2@82.035,63.425 cw(c81.456,63.425) 81.865,63.015 cw(c82.275,62.606) v2@82.275,63.185 ; v2(82.275,63.425) 81.75,62.9 66.98,62.9 ; 88.85,57.267 cw(c90.283,57.267) v2@89.27,58.28 ; 88.85,57.75 cw(c89.8,57.75) v2@89.128,58.422 ; v2@89.125,58.45 v2(89.1,58.45) 88.85,58.2 88.85,47.066 87.025,45.241 87.025,38.275 89.2,36.1 89.2,34 90.5,32.7 94.4,32.7 96.2,30.9 108.6,30.9 120.5,19 121.832,19 v1(122.832,18) ; v1@122.562,18 ccw(c121.91,18) 122.371,18.461 ccw(c122.832,18.922) v1@122.832,18.27
STEP3: U1.97 U10.22 | length 78.8
  Top Layer w0.2: v4(46.3,24.3) 47.575,24.3 49.1,25.825 49.1,28.825 51.55,31.275 54.525,31.275 55.825,32.575 v2@55.825,32.8 ; v4@46.583,24.017 cw(c47.266,23.334) 47.266,24.3 cw(c47.266,25.266) v4@46.583,24.583 ; v2@55.3,26.62 cw(c55.3,26.185) 55.607,26.493 cw(c55.915,26.8) v2@55.48,26.8 ; v2(55.3,26.8) 55.879,26.221 U10.22@55.879,25.175 ; 55.625,32.375 ccw(c55.275,32.725) v2@55.77,32.725 ; 55.685,32.435 cw(c55.95,32.171) v2@55.95,32.545 ; v2@55.85,32.825 v2(55.95,32.725) ; v2@62,69.455 ccw(c62,69.917) 62.326,69.59 ; v2@62,69.655 ccw(c62,70.6) U1.97@62.668,69.932 ; v2@62.126,69.603 ccw(c62.233,69.71) 62.339,69.603 ; v2@62.128,69.603 62.339,69.603 ; v2@62.179,69.458 cw(c62.339,69.442) 62.339,69.603 ; U1.97@63.157,70.421 62.339,69.603
  Signal Layer 1 w0.2: v4(46.3,24.3) 47.575,24.3 48.9,25.625 54.175,25.625 v2@55.275,26.725 ; v4@46.583,24.017 cw(c47.266,23.334) 47.266,24.3 cw(c47.266,25.266) v4@46.583,24.583 ; 54.855,26.305 ccw(c54.36,26.8) v2@55.06,26.8 ; 54.976,26.426 cw(c55.3,26.101) v2@55.3,26.56 ; 55.886,33.078 ccw(c56.089,32.961) v2@55.97,32.759 ; v2(55.95,32.725) 56.09,32.865 56.09,36.676 60.74,41.326 60.74,68.197 62.147,69.603 v2@62.128,69.603 ; 55.987,33.253 ccw(c56.191,33.135) v2@56.072,32.932 ; 61.577,69.034 ccw(c61.135,69.475) v2@61.76,69.475 ; 61.622,69.078 cw(c62,68.7) v2@62,69.235 ; v2@55.78,32.895 ccw(c55.033,33.642) 56.09,33.642 cw(c55.033,33.642) v2@55.78,32.895 ; v2@55.922,32.753 ccw(c55.515,33.16) 56.09,33.16 cw(c55.515,33.16) v2@55.922,32.753
  other v2: 62,69.475
STEP4: U1.91 U11.22 | length 101.2
  Top Layer w0.2: v4@24.075,24.3 24.975,24.3 ; v4@24.402,24.038 cw(c24.975,23.543) 24.975,24.3 ; v4@24.402,24.562 ccw(c24.975,25.057) 24.975,24.3 ; v2@33.1,26.62 cw(c33.1,26.185) 33.407,26.493 cw(c33.715,26.8) v2@33.28,26.8 ; v2(33.1,26.8) 33.679,26.221 U11.22@33.679,25.175 ; v2@61.545,33.475 ccw(c61.11,33.475) 61.418,33.782 ccw(c61.725,34.09) v2@61.725,33.655 ; v2(61.725,33.475) 61.095,34.105 39.529,34.105 37.324,31.9 29.8,31.9 26.825,28.925 26.825,26.15 24.975,24.3 ; v2(64,67.1) 64.079,67.1 U1.91@65.278,68.299 ; v2@64,67.28 ccw(c64,67.905) 64.442,67.463 ; v2@64.18,67.1 cw(c64.425,67.1) v2@64.252,67.273
  Signal Layer 1 w0.2: v4(24.1,24.3) 25.425,25.625 31.975,25.625 v2@33.075,26.725 ; v4@24.1,24.7 ccw(c24.1,25.666) 24.783,24.983 ccw(c25.466,24.3) v4@24.5,24.3 ; 32.655,26.305 ccw(c32.16,26.8) v2@32.86,26.8 ; 32.776,26.426 cw(c33.1,26.101) v2@33.1,26.56 ; v2@61.574,33.661 ccw(c61.317,33.979) 61.725,33.979 ; v2(61.725,33.475) 61.725,33.979 ; v2@61.876,33.661 cw(c62.133,33.979) 61.725,33.979 ; v2@63.83,66.93 ccw(c63.421,66.521) 63.421,67.1 ccw(c63.421,67.679) v2@63.83,67.27 ; v2(64,67.1) 62.775,67.1 61.94,66.265 61.94,38.206 63.47,36.676 63.47,35.724 61.725,33.979